# KiCad board solderCurved.kicad_pcb (continued)
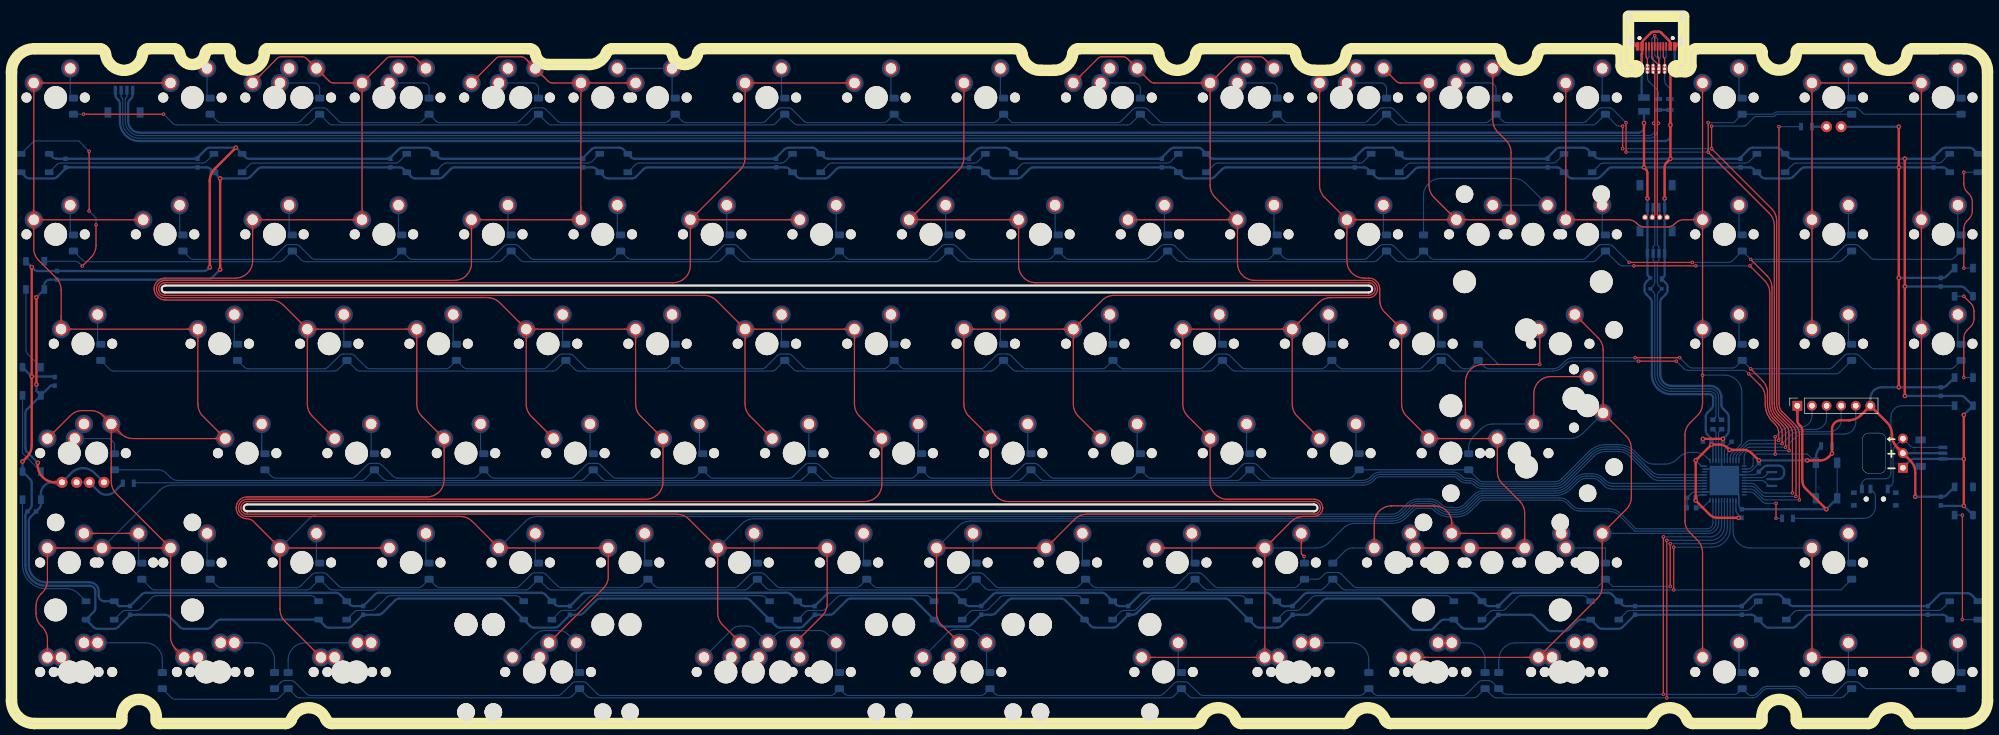
[diagram p0: board, top side]
## Copper pours and planes (outline as drawn; the poured copper is in the pictures) (continued)
Net-(D44-Pad2) on Bottom: 134.25,16.25 134.11,16.23 133.97,16.2 133.85,16.17 133.73,16.13 133.62,16.1 133.52,16.07 133.42,16.03 133.33,16 133.24,15.96 133.16,15.92 133.08,15.88 133.01,15.85 132.5,15.58 132.43,15.55 132.35,15.51 132.27,15.48 132.19,15.44 132.1,15.41 132.01,15.38 131.91,15.34 131.8,15.31 131.69,15.29 131.58,15.26 131.45,15.23 131.25,13.63 132.8,13.66 132.84,13.78 132.88,13.89 132.91,14.01 132.94,14.12 132.96,14.23 132.98,14.34 133.06,14.75 133.08,14.85 133.1,14.94 133.13,15.03 133.15,15.12 133.18,15.21 133.21,15.29 133.24,15.37 133.28,15.44 133.33,15.52 133.38,15.58 133.43,15.65 133.49,15.71 133.56,15.77 133.64,15.82 133.72,15.87 133.82,15.92 133.92,15.96 134.03,16 134.15,16.03 134.28,16.06
Net-(D45-Pad2) on Bottom: 172.25,110.88 172.25,111.01 172.26,111.14 172.27,111.26 172.29,111.37 172.31,111.47 172.34,111.57 172.37,111.66 172.4,111.74 172.44,111.82 172.48,111.9 172.52,111.97 172.56,112.04 172.61,112.1 172.66,112.17 172.71,112.23 172.77,112.29 173.06,112.6 173.12,112.66 173.18,112.73 173.24,112.81 173.3,112.89 173.36,112.97 173.42,113.06 173.48,113.16 173.54,113.26 173.59,113.37 172.15,114.87 170.71,113.37 170.77,113.26 170.82,113.16 170.88,113.06 170.94,112.97 171,112.89 171.06,112.81 171.12,112.73 171.18,112.66 171.24,112.6 171.53,112.29 171.59,112.23 171.64,112.17 171.69,112.1 171.74,112.04 171.78,111.97 171.83,111.9 171.87,111.82 171.9,111.74 171.94,111.66 171.97,111.57 171.99,111.47 172.01,111.37 172.03,111.26 172.04,111.14 172.05,111.01 172.05,110.88
Net-(D45-Pad2) on Bottom: 172.25,111.68 172.25,111.78 172.26,111.87 172.27,111.96 172.28,112.05 172.3,112.12 172.31,112.19 172.34,112.26 172.36,112.33 172.39,112.39 172.41,112.44 172.45,112.5 172.48,112.55 172.51,112.6 172.55,112.64 172.93,113.07 172.97,113.13 173.02,113.19 173.06,113.25 173.1,113.31 173.15,113.39 173.19,113.46 173.23,113.54 172.15,114.67 171.07,113.54 171.11,113.46 171.16,113.39 171.2,113.31 171.24,113.25 171.29,113.19 171.33,113.13 171.38,113.07 171.75,112.64 171.79,112.6 171.82,112.55 171.86,112.5 171.89,112.44 171.92,112.39 171.94,112.33 171.97,112.26 171.99,112.19 172.01,112.12 172.02,112.05 172.04,111.96 172.04,111.87 172.05,111.78 172.05,111.68
Net-(D46-Pad2) on Bottom: 162.73,87.06 162.73,87.2 162.74,87.33 162.75,87.45 162.77,87.56 162.79,87.66 162.81,87.76 162.84,87.85 162.88,87.93 162.91,88.01 162.95,88.09 162.99,88.16 163.04,88.23 163.09,88.29 163.14,88.35 163.19,88.41 163.24,88.48 163.53,88.78 163.59,88.85 163.66,88.92 163.72,89 163.78,89.08 163.84,89.16 163.9,89.25 163.95,89.34 164.01,89.45 164.07,89.56 162.63,91.05 161.19,89.56 161.24,89.45 161.3,89.34 161.36,89.25 161.42,89.16 161.48,89.08 161.54,89 161.6,88.92 161.66,88.85 161.72,88.78 162.01,88.48 162.06,88.41 162.12,88.35 162.17,88.29 162.21,88.23 162.26,88.16 162.3,88.09 162.34,88.01 162.38,87.93 162.41,87.85 162.44,87.76 162.47,87.66 162.49,87.56 162.5,87.45 162.52,87.33 162.52,87.2 162.53,87.06
Net-(D46-Pad2) on Bottom: 162.73,87.86 162.73,87.97 162.73,88.06 162.74,88.15 162.76,88.23 162.77,88.31 162.79,88.38 162.81,88.45 162.83,88.51 162.86,88.57 162.89,88.63 162.92,88.68 162.95,88.73 162.99,88.78 163.02,88.83 163.4,89.26 163.45,89.31 163.49,89.37 163.54,89.44 163.58,89.5 163.62,89.57 163.67,89.65 163.71,89.73 162.63,90.85 161.55,89.73 161.59,89.65 161.63,89.57 161.67,89.5 161.72,89.44 161.76,89.37 161.81,89.31 161.85,89.26 162.23,88.83 162.26,88.78 162.3,88.73 162.33,88.68 162.36,88.63 162.39,88.57 162.42,88.51 162.44,88.45 162.46,88.38 162.48,88.31 162.5,88.23 162.51,88.15 162.52,88.06 162.52,87.97 162.53,87.86
Net-(D47-Pad2) on Bottom: 172.25,68.01 172.25,68.15 172.26,68.28 172.27,68.4 172.29,68.51 172.31,68.61 172.34,68.71 172.37,68.8 172.4,68.88 172.44,68.96 172.48,69.04 172.52,69.11 172.56,69.18 172.61,69.24 172.66,69.3 172.71,69.36 172.77,69.43 173.06,69.73 173.12,69.8 173.18,69.87 173.24,69.95 173.3,70.03 173.36,70.11 173.42,70.2 173.48,70.29 173.54,70.4 173.59,70.51 172.15,72 170.71,70.51 170.77,70.4 170.82,70.29 170.88,70.2 170.94,70.11 171,70.03 171.06,69.95 171.12,69.87 171.18,69.8 171.24,69.73 171.53,69.43 171.59,69.36 171.64,69.3 171.69,69.24 171.74,69.18 171.78,69.11 171.83,69.04 171.87,68.96 171.9,68.88 171.94,68.8 171.97,68.71 171.99,68.61 172.01,68.51 172.03,68.4 172.04,68.28 172.05,68.15 172.05,68.01
Net-(D47-Pad2) on Bottom: 172.25,68.81 172.25,68.92 172.26,69.01 172.27,69.1 172.28,69.18 172.3,69.26 172.31,69.33 172.34,69.4 172.36,69.46 172.39,69.52 172.41,69.58 172.45,69.63 172.48,69.68 172.51,69.73 172.55,69.78 172.93,70.21 172.97,70.26 173.02,70.32 173.06,70.39 173.1,70.45 173.15,70.52 173.19,70.6 173.23,70.68 172.15,71.8 171.07,70.68 171.11,70.6 171.16,70.52 171.2,70.45 171.24,70.39 171.29,70.32 171.33,70.26 171.38,70.21 171.75,69.78 171.79,69.73 171.82,69.68 171.86,69.63 171.89,69.58 171.92,69.52 171.94,69.46 171.97,69.4 171.99,69.33 172.01,69.26 172.02,69.18 172.04,69.1 172.04,69.01 172.05,68.92 172.05,68.81
Net-(D48-Pad2) on Bottom: 177.01,48.96 177.02,49.1 177.02,49.23 177.04,49.35 177.05,49.46 177.08,49.56 177.1,49.66 177.13,49.75 177.16,49.83 177.2,49.91 177.24,49.99 177.28,50.06 177.33,50.13 177.37,50.19 177.43,50.25 177.48,50.31 177.53,50.38 177.82,50.68 177.88,50.75 177.94,50.82 178,50.9 178.06,50.98 178.12,51.06 178.18,51.15 178.24,51.24 178.3,51.35 178.35,51.46 176.91,52.95 175.47,51.46 175.53,51.35 175.59,51.24 175.65,51.15 175.7,51.06 175.76,50.98 175.82,50.9 175.89,50.82 175.95,50.75 176.01,50.68 176.3,50.38 176.35,50.31 176.4,50.25 176.45,50.19 176.5,50.13 176.55,50.06 176.59,49.99 176.63,49.91 176.67,49.83 176.7,49.75 176.73,49.66 176.75,49.56 176.77,49.46 176.79,49.35 176.8,49.23 176.81,49.1 176.81,48.96
Net-(D48-Pad2) on Bottom: 177.01,49.76 177.02,49.87 177.02,49.96 177.03,50.05 177.04,50.13 177.06,50.21 177.08,50.28 177.1,50.35 177.12,50.41 177.15,50.47 177.18,50.53 177.21,50.58 177.24,50.63 177.28,50.68 177.31,50.73 177.69,51.16 177.73,51.21 177.78,51.27 177.82,51.34 177.87,51.4 177.91,51.47 177.95,51.55 177.99,51.63 176.91,52.75 175.83,51.63 175.88,51.55 175.92,51.47 175.96,51.4 176,51.34 176.05,51.27 176.09,51.21 176.14,51.16 176.52,50.73 176.55,50.68 176.59,50.63 176.62,50.58 176.65,50.53 176.68,50.47 176.71,50.41 176.73,50.35 176.75,50.28 176.77,50.21 176.79,50.13 176.8,50.05 176.81,49.96 176.81,49.87 176.81,49.76
Net-(D49-Pad2) on Bottom: 167.49,29.91 167.49,30.05 167.5,30.18 167.51,30.3 167.53,30.41 167.55,30.51 167.58,30.61 167.6,30.7 167.64,30.78 167.67,30.86 167.71,30.94 167.76,31.01 167.8,31.08 167.85,31.14 167.9,31.2 167.95,31.26 168.01,31.33 168.3,31.63 168.36,31.7 168.42,31.77 168.48,31.85 168.54,31.93 168.6,32.01 168.66,32.1 168.72,32.19 168.77,32.3 168.83,32.41 167.39,33.9 165.95,32.41 166,32.3 166.06,32.19 166.12,32.1 166.18,32.01 166.24,31.93 166.3,31.85 166.36,31.77 166.42,31.7 166.48,31.63 166.77,31.33 166.83,31.26 166.88,31.2 166.93,31.14 166.98,31.08 167.02,31.01 167.06,30.94 167.1,30.86 167.14,30.78 167.17,30.7 167.2,30.61 167.23,30.51 167.25,30.41 167.27,30.3 167.28,30.18 167.29,30.05 167.29,29.91
Net-(D49-Pad2) on Bottom: 167.49,30.71 167.49,30.82 167.5,30.91 167.51,31 167.52,31.08 167.53,31.16 167.55,31.23 167.57,31.3 167.6,31.36 167.62,31.42 167.65,31.48 167.68,31.53 167.72,31.58 167.75,31.63 167.79,31.68 168.17,32.11 168.21,32.16 168.25,32.22 168.3,32.29 168.34,32.35 168.39,32.42 168.43,32.5 168.47,32.58 167.39,33.7 166.31,32.58 166.35,32.5 166.39,32.42 166.44,32.35 166.48,32.29 166.52,32.22 166.57,32.16 166.61,32.11 166.99,31.68 167.03,31.63 167.06,31.58 167.09,31.53 167.13,31.48 167.15,31.42 167.18,31.36 167.21,31.3 167.23,31.23 167.24,31.16 167.26,31.08 167.27,31 167.28,30.91 167.29,30.82 167.29,30.71
Net-(D50-Pad2) on Bottom: 196.42,110.08 195.98,109.15 196.52,108.59 197.06,109.15 196.62,110.08
Net-(D50-Pad2) on Bottom: 192.8,111.63 192.67,111.63 192.54,111.64 192.42,111.65 192.31,111.67 192.21,111.69 192.11,111.71 192.02,111.74 191.94,111.78 191.86,111.81 191.78,111.85 191.71,111.89 191.64,111.94 191.58,111.99 191.52,112.04 191.45,112.09 191.39,112.14 191.08,112.43 191.02,112.49 190.95,112.56 190.87,112.62 190.79,112.68 190.71,112.74 190.62,112.8 190.52,112.85 190.42,112.91 190.31,112.97 188.81,111.53 190.31,110.09 190.42,110.14 190.52,110.2 190.62,110.26 190.71,110.32 190.79,110.38 190.87,110.44 190.95,110.5 191.02,110.56 191.08,110.62 191.39,110.91 191.45,110.96 191.52,111.02 191.58,111.07 191.64,111.11 191.71,111.16 191.78,111.2 191.86,111.24 191.94,111.28 192.02,111.31 192.11,111.34 192.21,111.37 192.31,111.39 192.42,111.4 192.54,111.42 192.67,111.42 192.8,111.43
Net-(D50-Pad2) on Bottom: 192,111.63 191.9,111.63 191.81,111.63 191.72,111.64 191.64,111.66 191.56,111.67 191.49,111.69 191.42,111.71 191.36,111.73 191.3,111.76 191.24,111.79 191.19,111.82 191.13,111.85 191.09,111.89 191.04,111.93 190.61,112.3 190.55,112.35 190.5,112.39 190.43,112.44 190.37,112.48 190.3,112.52 190.22,112.57 190.14,112.61 189.01,111.53 190.14,110.45 190.22,110.49 190.3,110.53 190.37,110.57 190.43,110.62 190.5,110.66 190.55,110.71 190.61,110.75 191.04,111.13 191.09,111.17 191.13,111.2 191.19,111.23 191.24,111.26 191.3,111.29 191.36,111.32 191.42,111.34 191.49,111.36 191.56,111.38 191.64,111.4 191.72,111.41 191.81,111.42 191.9,111.43 192,111.43
Net-(D51-Pad2) on Bottom: 181.78,87.06 181.78,87.2 181.79,87.33 181.8,87.45 181.82,87.56 181.84,87.66 181.86,87.76 181.89,87.85 181.93,87.93 181.96,88.01 182,88.09 182.04,88.16 182.09,88.23 182.14,88.29 182.19,88.35 182.24,88.41 182.29,88.48 182.58,88.78 182.64,88.85 182.71,88.92 182.77,89 182.83,89.08 182.89,89.16 182.95,89.25 183,89.34 183.06,89.45 183.12,89.56 181.68,91.05 180.24,89.56 180.29,89.45 180.35,89.34 180.41,89.25 180.47,89.16 180.53,89.08 180.59,89 180.65,88.92 180.71,88.85 180.77,88.78 181.06,88.48 181.11,88.41 181.17,88.35 181.22,88.29 181.26,88.23 181.31,88.16 181.35,88.09 181.39,88.01 181.43,87.93 181.46,87.85 181.49,87.76 181.52,87.66 181.54,87.56 181.55,87.45 181.57,87.33 181.57,87.2 181.58,87.06
Net-(D51-Pad2) on Bottom: 181.78,87.86 181.78,87.97 181.78,88.06 181.79,88.15 181.81,88.23 181.82,88.31 181.84,88.38 181.86,88.45 181.88,88.51 181.91,88.57 181.94,88.63 181.97,88.68 182,88.73 182.04,88.78 182.07,88.83 182.45,89.26 182.5,89.31 182.54,89.37 182.59,89.44 182.63,89.5 182.67,89.57 182.72,89.65 182.76,89.73 181.68,90.85 180.6,89.73 180.64,89.65 180.68,89.57 180.72,89.5 180.77,89.44 180.81,89.37 180.86,89.31 180.9,89.26 181.28,88.83 181.31,88.78 181.35,88.73 181.38,88.68 181.41,88.63 181.44,88.57 181.47,88.51 181.49,88.45 181.51,88.38 181.53,88.31 181.55,88.23 181.56,88.15 181.57,88.06 181.57,87.97 181.58,87.86
Net-(D52-Pad2) on Bottom: 191.3,68.81 191.3,68.92 191.31,69.01 191.32,69.1 191.33,69.18 191.35,69.26 191.36,69.33 191.39,69.4 191.41,69.46 191.44,69.52 191.46,69.58 191.5,69.63 191.53,69.68 191.56,69.73 191.6,69.78 191.98,70.21 192.02,70.26 192.07,70.32 192.11,70.39 192.15,70.45 192.2,70.52 192.24,70.6 192.28,70.68 191.2,71.8 190.12,70.68 190.16,70.6 190.21,70.52 190.25,70.45 190.29,70.39 190.34,70.32 190.38,70.26 190.43,70.21 190.8,69.78 190.84,69.73 190.87,69.68 190.91,69.63 190.94,69.58 190.97,69.52 190.99,69.46 191.02,69.4 191.04,69.33 191.06,69.26 191.07,69.18 191.09,69.1 191.09,69.01 191.1,68.92 191.1,68.81
Net-(D52-Pad2) on Bottom: 191.3,68.01 191.3,68.15 191.31,68.28 191.32,68.4 191.34,68.51 191.36,68.61 191.39,68.71 191.42,68.8 191.45,68.88 191.49,68.96 191.53,69.04 191.57,69.11 191.61,69.18 191.66,69.24 191.71,69.3 191.76,69.36 191.82,69.43 192.11,69.73 192.17,69.8 192.23,69.87 192.29,69.95 192.35,70.03 192.41,70.11 192.47,70.2 192.53,70.29 192.59,70.4 192.64,70.51 191.2,72 189.76,70.51 189.82,70.4 189.87,70.29 189.93,70.2 189.99,70.11 190.05,70.03 190.11,69.95 190.17,69.87 190.23,69.8 190.29,69.73 190.58,69.43 190.64,69.36 190.69,69.3 190.74,69.24 190.79,69.18 190.83,69.11 190.88,69.04 190.92,68.96 190.95,68.88 190.99,68.8 191.02,68.71 191.04,68.61 191.06,68.51 191.08,68.4 191.09,68.28 191.1,68.15 191.1,68.01
Net-(D53-Pad2) on Bottom: 196.06,48.96 196.07,49.1 196.07,49.23 196.09,49.35 196.1,49.46 196.13,49.56 196.15,49.66 196.18,49.75 196.21,49.83 196.25,49.91 196.29,49.99 196.33,50.06 196.38,50.13 196.42,50.19 196.48,50.25 196.53,50.31 196.58,50.38 196.87,50.68 196.93,50.75 196.99,50.82 197.05,50.9 197.11,50.98 197.17,51.06 197.23,51.15 197.29,51.24 197.35,51.35 197.4,51.46 195.96,52.95 194.52,51.46 194.58,51.35 194.64,51.24 194.7,51.15 194.75,51.06 194.81,50.98 194.87,50.9 194.94,50.82 195,50.75 195.06,50.68 195.35,50.38 195.4,50.31 195.45,50.25 195.5,50.19 195.55,50.13 195.6,50.06 195.64,49.99 195.68,49.91 195.72,49.83 195.75,49.75 195.78,49.66 195.8,49.56 195.82,49.46 195.84,49.35 195.85,49.23 195.86,49.1 195.86,48.96
Net-(D53-Pad2) on Bottom: 196.06,49.76 196.07,49.87 196.07,49.96 196.08,50.05 196.09,50.13 196.11,50.21 196.13,50.28 196.15,50.35 196.17,50.41 196.2,50.47 196.23,50.53 196.26,50.58 196.29,50.63 196.33,50.68 196.36,50.73 196.74,51.16 196.78,51.21 196.83,51.27 196.87,51.34 196.92,51.4 196.96,51.47 197,51.55 197.04,51.63 195.96,52.75 194.88,51.63 194.93,51.55 194.97,51.47 195.01,51.4 195.05,51.34 195.1,51.27 195.14,51.21 195.19,51.16 195.57,50.73 195.6,50.68 195.64,50.63 195.67,50.58 195.7,50.53 195.73,50.47 195.76,50.41 195.78,50.35 195.8,50.28 195.82,50.21 195.84,50.13 195.85,50.05 195.86,49.96 195.86,49.87 195.86,49.76
Net-(D54-Pad2) on Bottom: 186.54,29.91 186.54,30.05 186.55,30.18 186.56,30.3 186.58,30.41 186.6,30.51 186.63,30.61 186.65,30.7 186.69,30.78 186.72,30.86 186.76,30.94 186.81,31.01 186.85,31.08 186.9,31.14 186.95,31.2 187,31.26 187.06,31.33 187.35,31.63 187.41,31.7 187.47,31.77 187.53,31.85 187.59,31.93 187.65,32.01 187.71,32.1 187.77,32.19 187.82,32.3 187.88,32.41 186.44,33.9 185,32.41 185.05,32.3 185.11,32.19 185.17,32.1 185.23,32.01 185.29,31.93 185.35,31.85 185.41,31.77 185.47,31.7 185.53,31.63 185.82,31.33 185.88,31.26 185.93,31.2 185.98,31.14 186.03,31.08 186.07,31.01 186.11,30.94 186.15,30.86 186.19,30.78 186.22,30.7 186.25,30.61 186.28,30.51 186.3,30.41 186.32,30.3 186.33,30.18 186.34,30.05 186.34,29.91
Net-(D54-Pad2) on Bottom: 186.54,30.71 186.54,30.82 186.55,30.91 186.56,31 186.57,31.08 186.58,31.16 186.6,31.23 186.62,31.3 186.65,31.36 186.67,31.42 186.7,31.48 186.73,31.53 186.77,31.58 186.8,31.63 186.84,31.68 187.22,32.11 187.26,32.16 187.3,32.22 187.35,32.29 187.39,32.35 187.44,32.42 187.48,32.5 187.52,32.58 186.44,33.7 185.36,32.58 185.4,32.5 185.44,32.42 185.49,32.35 185.53,32.29 185.57,32.22 185.62,32.16 185.66,32.11 186.04,31.68 186.08,31.63 186.11,31.58 186.14,31.53 186.18,31.48 186.2,31.42 186.23,31.36 186.26,31.3 186.28,31.23 186.29,31.16 186.31,31.08 186.32,31 186.33,30.91 186.34,30.82 186.34,30.71
Net-(D55-Pad2) on Bottom: 216.62,111.63 216.48,111.63 216.35,111.64 216.23,111.65 216.12,111.67 216.02,111.69 215.92,111.71 215.83,111.74 215.75,111.78 215.67,111.81 215.59,111.85 215.52,111.89 215.46,111.94 215.39,111.99 215.33,112.04 215.27,112.09 215.21,112.14 214.9,112.43 214.83,112.49 214.76,112.56 214.68,112.62 214.61,112.68 214.52,112.74 214.43,112.8 214.34,112.85 214.23,112.91 214.12,112.97 212.63,111.53 214.12,110.09 214.23,110.14 214.34,110.2 214.43,110.26 214.52,110.32 214.61,110.38 214.68,110.44 214.76,110.5 214.83,110.56 214.9,110.62 215.21,110.91 215.27,110.96 215.33,111.02 215.39,111.07 215.46,111.11 215.52,111.16 215.59,111.2 215.67,111.24 215.75,111.28 215.83,111.31 215.92,111.34 216.02,111.37 216.12,111.39 216.23,111.4 216.35,111.42 216.48,111.42 216.62,111.43
Net-(D55-Pad2) on Bottom: 215.82,111.63 215.71,111.63 215.62,111.63 215.53,111.64 215.45,111.66 215.37,111.67 215.3,111.69 215.23,111.71 215.17,111.73 215.11,111.76 215.05,111.79 215,111.82 214.95,111.85 214.9,111.89 214.85,111.93 214.42,112.3 214.37,112.35 214.31,112.39 214.25,112.44 214.18,112.48 214.11,112.52 214.03,112.57 213.95,112.61 212.83,111.53 213.95,110.45 214.03,110.49 214.11,110.53 214.18,110.57 214.25,110.62 214.31,110.66 214.37,110.71 214.42,110.75 214.85,111.13 214.9,111.17 214.95,111.2 215,111.23 215.05,111.26 215.11,111.29 215.17,111.32 215.23,111.34 215.3,111.36 215.37,111.38 215.45,111.4 215.53,111.41 215.62,111.42 215.71,111.43 215.82,111.43
Net-(D55-Pad2) on Bottom: 220.24,110.08 219.8,109.15 220.34,108.59 220.88,109.15 220.44,110.08
Net-(D56-Pad2) on Bottom: 200.83,87.06 200.83,87.2 200.84,87.33 200.85,87.45 200.87,87.56 200.89,87.66 200.91,87.76 200.94,87.85 200.98,87.93 201.01,88.01 201.05,88.09 201.09,88.16 201.14,88.23 201.19,88.29 201.24,88.35 201.29,88.41 201.34,88.48 201.63,88.78 201.69,88.85 201.76,88.92 201.82,89 201.88,89.08 201.94,89.16 202,89.25 202.05,89.34 202.11,89.45 202.17,89.56 200.73,91.05 199.29,89.56 199.34,89.45 199.4,89.34 199.46,89.25 199.52,89.16 199.58,89.08 199.64,89 199.7,88.92 199.76,88.85 199.82,88.78 200.11,88.48 200.16,88.41 200.22,88.35 200.27,88.29 200.31,88.23 200.36,88.16 200.4,88.09 200.44,88.01 200.48,87.93 200.51,87.85 200.54,87.76 200.57,87.66 200.59,87.56 200.6,87.45 200.62,87.33 200.62,87.2 200.63,87.06
Net-(D56-Pad2) on Bottom: 200.83,87.86 200.83,87.97 200.83,88.06 200.84,88.15 200.86,88.23 200.87,88.31 200.89,88.38 200.91,88.45 200.93,88.51 200.96,88.57 200.99,88.63 201.02,88.68 201.05,88.73 201.09,88.78 201.12,88.83 201.5,89.26 201.55,89.31 201.59,89.37 201.64,89.44 201.68,89.5 201.72,89.57 201.77,89.65 201.81,89.73 200.73,90.85 199.65,89.73 199.69,89.65 199.73,89.57 199.77,89.5 199.82,89.44 199.86,89.37 199.91,89.31 199.95,89.26 200.33,88.83 200.36,88.78 200.4,88.73 200.43,88.68 200.46,88.63 200.49,88.57 200.52,88.51 200.54,88.45 200.56,88.38 200.58,88.31 200.6,88.23 200.61,88.15 200.62,88.06 200.62,87.97 200.63,87.86
Net-(D57-Pad2) on Bottom: 210.35,68.81 210.35,68.92 210.36,69.01 210.37,69.1 210.38,69.18 210.4,69.26 210.41,69.33 210.44,69.4 210.46,69.46 210.49,69.52 210.51,69.58 210.55,69.63 210.58,69.68 210.61,69.73 210.65,69.78 211.03,70.21 211.07,70.26 211.12,70.32 211.16,70.39 211.2,70.45 211.25,70.52 211.29,70.6 211.33,70.68 210.25,71.8 209.17,70.68 209.21,70.6 209.26,70.52 209.3,70.45 209.34,70.39 209.39,70.32 209.43,70.26 209.48,70.21 209.85,69.78 209.89,69.73 209.92,69.68 209.96,69.63 209.99,69.58 210.02,69.52 210.04,69.46 210.07,69.4 210.09,69.33 210.11,69.26 210.12,69.18 210.14,69.1 210.14,69.01 210.15,68.92 210.15,68.81
Net-(D57-Pad2) on Bottom: 210.35,68.01 210.35,68.15 210.36,68.28 210.37,68.4 210.39,68.51 210.41,68.61 210.44,68.71 210.47,68.8 210.5,68.88 210.54,68.96 210.58,69.04 210.62,69.11 210.66,69.18 210.71,69.24 210.76,69.3 210.81,69.36 210.87,69.43 211.16,69.73 211.22,69.8 211.28,69.87 211.34,69.95 211.4,70.03 211.46,70.11 211.52,70.2 211.58,70.29 211.64,70.4 211.69,70.51 210.25,72 208.81,70.51 208.87,70.4 208.92,70.29 208.98,70.2 209.04,70.11 209.1,70.03 209.16,69.95 209.22,69.87 209.28,69.8 209.34,69.73 209.63,69.43 209.69,69.36 209.74,69.3 209.79,69.24 209.84,69.18 209.88,69.11 209.93,69.04 209.97,68.96 210,68.88 210.04,68.8 210.07,68.71 210.09,68.61 210.11,68.51 210.13,68.4 210.14,68.28 210.15,68.15 210.15,68.01
Net-(D58-Pad2) on Bottom: 215.11,49.76 215.12,49.87 215.12,49.96 215.13,50.05 215.14,50.13 215.16,50.21 215.18,50.28 215.2,50.35 215.22,50.41 215.25,50.47 215.28,50.53 215.31,50.58 215.34,50.63 215.38,50.68 215.41,50.73 215.79,51.16 215.83,51.21 215.88,51.27 215.92,51.34 215.97,51.4 216.01,51.47 216.05,51.55 216.09,51.63 215.01,52.75 213.93,51.63 213.98,51.55 214.02,51.47 214.06,51.4 214.1,51.34 214.15,51.27 214.19,51.21 214.24,51.16 214.62,50.73 214.65,50.68 214.69,50.63 214.72,50.58 214.75,50.53 214.78,50.47 214.81,50.41 214.83,50.35 214.85,50.28 214.87,50.21 214.89,50.13 214.9,50.05 214.91,49.96 214.91,49.87 214.91,49.76
Net-(D58-Pad2) on Bottom: 215.11,48.96 215.12,49.1 215.12,49.23 215.14,49.35 215.15,49.46 215.18,49.56 215.2,49.66 215.23,49.75 215.26,49.83 215.3,49.91 215.34,49.99 215.38,50.06 215.43,50.13 215.47,50.19 215.53,50.25 215.58,50.31 215.63,50.38 215.92,50.68 215.98,50.75 216.04,50.82 216.1,50.9 216.16,50.98 216.22,51.06 216.28,51.15 216.34,51.24 216.4,51.35 216.45,51.46 215.01,52.95 213.57,51.46 213.63,51.35 213.69,51.24 213.75,51.15 213.8,51.06 213.86,50.98 213.92,50.9 213.99,50.82 214.05,50.75 214.11,50.68 214.4,50.38 214.45,50.31 214.5,50.25 214.55,50.19 214.6,50.13 214.65,50.06 214.69,49.99 214.73,49.91 214.77,49.83 214.8,49.75 214.83,49.66 214.85,49.56 214.87,49.46 214.89,49.35 214.9,49.23 214.91,49.1 214.91,48.96
Net-(D59-Pad2) on Bottom: 205.59,30.71 205.59,30.82 205.6,30.91 205.61,31 205.62,31.08 205.63,31.16 205.65,31.23 205.67,31.3 205.7,31.36 205.72,31.42 205.75,31.48 205.78,31.53 205.82,31.58 205.85,31.63 205.89,31.68 206.27,32.11 206.31,32.16 206.35,32.22 206.4,32.29 206.44,32.35 206.49,32.42 206.53,32.5 206.57,32.58 205.49,33.7 204.41,32.58 204.45,32.5 204.49,32.42 204.54,32.35 204.58,32.29 204.62,32.22 204.67,32.16 204.71,32.11 205.09,31.68 205.13,31.63 205.16,31.58 205.19,31.53 205.23,31.48 205.25,31.42 205.28,31.36 205.31,31.3 205.33,31.23 205.34,31.16 205.36,31.08 205.37,31 205.38,30.91 205.39,30.82 205.39,30.71
Net-(D59-Pad2) on Bottom: 205.59,29.91 205.59,30.05 205.6,30.18 205.61,30.3 205.63,30.41 205.65,30.51 205.68,30.61 205.7,30.7 205.74,30.78 205.77,30.86 205.81,30.94 205.86,31.01 205.9,31.08 205.95,31.14 206,31.2 206.05,31.26 206.11,31.33 206.4,31.63 206.46,31.7 206.52,31.77 206.58,31.85 206.64,31.93 206.7,32.01 206.76,32.1 206.82,32.19 206.87,32.3 206.93,32.41 205.49,33.9 204.05,32.41 204.1,32.3 204.16,32.19 204.22,32.1 204.28,32.01 204.34,31.93 204.4,31.85 204.46,31.77 204.52,31.7 204.58,31.63 204.87,31.33 204.93,31.26 204.98,31.2 205.03,31.14 205.08,31.08 205.12,31.01 205.16,30.94 205.2,30.86 205.24,30.78 205.27,30.7 205.3,30.61 205.33,30.51 205.35,30.41 205.37,30.3 205.38,30.18 205.39,30.05 205.39,29.91
Net-(D60-Pad2) on Bottom: 234.87,111.63 234.76,111.63 234.67,111.63 234.58,111.64 234.5,111.66 234.42,111.67 234.35,111.69 234.28,111.71 234.22,111.73 234.16,111.76 234.1,111.79 234.05,111.82 234,111.85 233.95,111.89 233.9,111.93 233.47,112.3 233.42,112.35 233.36,112.39 233.3,112.44 233.23,112.48 233.16,112.52 233.08,112.57 233,112.61 231.88,111.53 233,110.45 233.08,110.49 233.16,110.53 233.23,110.57 233.3,110.62 233.36,110.66 233.42,110.71 233.47,110.75 233.9,111.13 233.95,111.17 234,111.2 234.05,111.23 234.1,111.26 234.16,111.29 234.22,111.32 234.28,111.34 234.35,111.36 234.42,111.38 234.5,111.4 234.58,111.41 234.67,111.42 234.76,111.43 234.87,111.43
Net-(D60-Pad2) on Bottom: 239.29,110.08 238.85,109.15 239.39,108.59 239.93,109.15 239.49,110.08
Net-(D60-Pad2) on Bottom: 235.67,111.63 235.53,111.63 235.4,111.64 235.28,111.65 235.17,111.67 235.07,111.69 234.97,111.71 234.88,111.74 234.8,111.78 234.72,111.81 234.64,111.85 234.57,111.89 234.51,111.94 234.44,111.99 234.38,112.04 234.32,112.09 234.26,112.14 233.95,112.43 233.88,112.49 233.81,112.56 233.73,112.62 233.66,112.68 233.57,112.74 233.48,112.8 233.39,112.85 233.28,112.91 233.17,112.97 231.68,111.53 233.17,110.09 233.28,110.14 233.39,110.2 233.48,110.26 233.57,110.32 233.66,110.38 233.73,110.44 233.81,110.5 233.88,110.56 233.95,110.62 234.26,110.91 234.32,110.96 234.38,111.02 234.44,111.07 234.51,111.11 234.57,111.16 234.64,111.2 234.72,111.24 234.8,111.28 234.88,111.31 234.97,111.34 235.07,111.37 235.17,111.39 235.28,111.4 235.4,111.42 235.53,111.42 235.67,111.43
Net-(D61-Pad2) on Bottom: 219.88,87.86 219.88,87.97 219.88,88.06 219.89,88.15 219.91,88.23 219.92,88.31 219.94,88.38 219.96,88.45 219.98,88.51 220.01,88.57 220.04,88.63 220.07,88.68 220.1,88.73 220.14,88.78 220.17,88.83 220.55,89.26 220.6,89.31 220.64,89.37 220.69,89.44 220.73,89.5 220.77,89.57 220.82,89.65 220.86,89.73 219.78,90.85 218.7,89.73 218.74,89.65 218.78,89.57 218.82,89.5 218.87,89.44 218.91,89.37 218.96,89.31 219,89.26 219.38,88.83 219.41,88.78 219.45,88.73 219.48,88.68 219.51,88.63 219.54,88.57 219.57,88.51 219.59,88.45 219.61,88.38 219.63,88.31 219.65,88.23 219.66,88.15 219.67,88.06 219.67,87.97 219.68,87.86
Net-(D61-Pad2) on Bottom: 219.88,87.06 219.88,87.2 219.89,87.33 219.9,87.45 219.92,87.56 219.94,87.66 219.96,87.76 219.99,87.85 220.03,87.93 220.06,88.01 220.1,88.09 220.14,88.16 220.19,88.23 220.24,88.29 220.29,88.35 220.34,88.41 220.39,88.48 220.68,88.78 220.74,88.85 220.81,88.92 220.87,89 220.93,89.08 220.99,89.16 221.05,89.25 221.1,89.34 221.16,89.45 221.22,89.56 219.78,91.05 218.34,89.56 218.39,89.45 218.45,89.34 218.51,89.25 218.57,89.16 218.63,89.08 218.69,89 218.75,88.92 218.81,88.85 218.87,88.78 219.16,88.48 219.21,88.41 219.27,88.35 219.32,88.29 219.36,88.23 219.41,88.16 219.45,88.09 219.49,88.01 219.53,87.93 219.56,87.85 219.59,87.76 219.62,87.66 219.64,87.56 219.65,87.45 219.67,87.33 219.67,87.2 219.68,87.06
